# KiCad board procyon_57x80.kicad_pcb (continued)
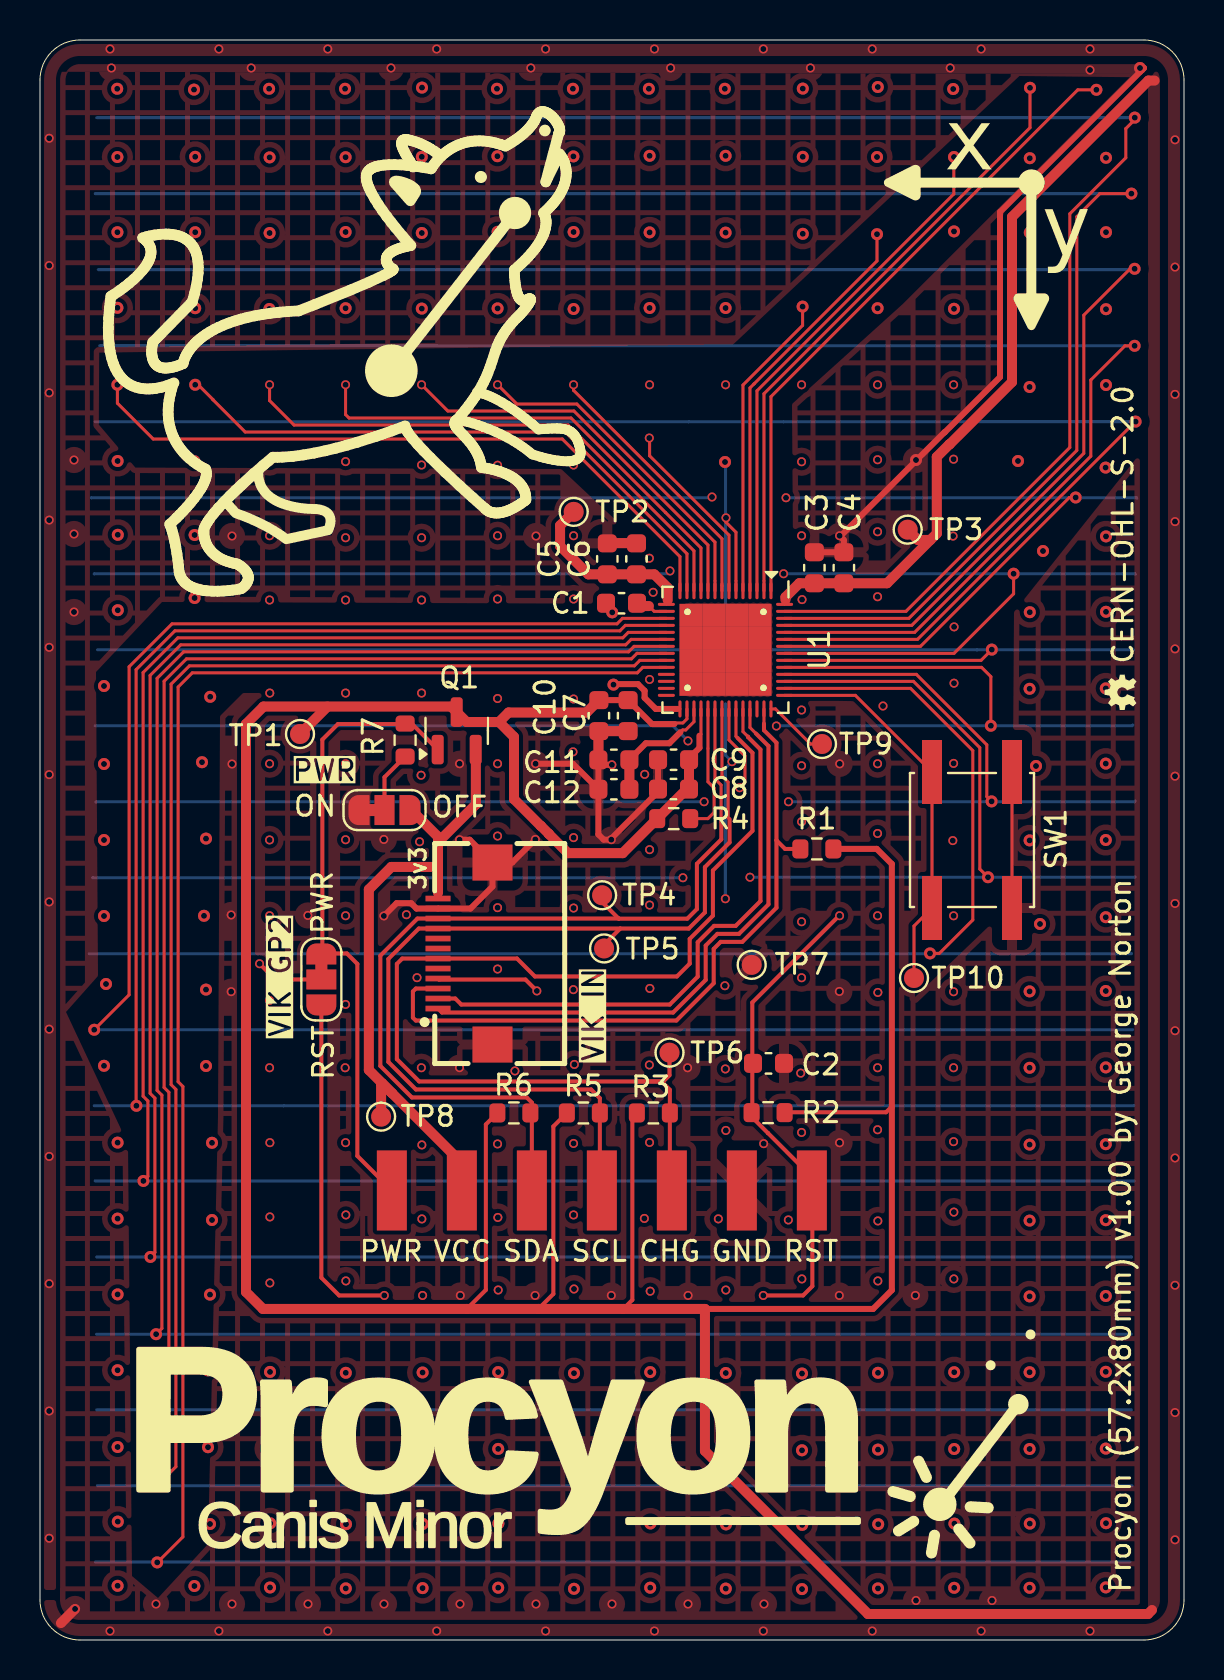
[diagram p0: board, top side]
## Copper pours and planes (outline as drawn; the poured copper is in the pictures) (continued)
/Y5 on Bottom: 18.89,57.1 17.2,55.41 15.51,57.1 17.2,58.79
/Y5 on Bottom: 55.2,55.41 53.51,57.1 55.2,58.79
/Y5 on Bottom: 11.29,57.1 9.6,55.41 7.91,57.1 9.6,58.79
/Y5 on Bottom: 3.69,57.1 2,55.41 2,58.79
/Y5 on Bottom: 53.09,57.1 51.4,55.41 49.71,57.1 51.4,58.79
/Y5 on Bottom: 41.69,57.1 40,55.41 38.31,57.1 40,58.79
/Y5 on Bottom: 45.49,57.1 43.8,55.41 42.11,57.1 43.8,58.79
/Y5 on Bottom: 34.09,57.1 32.4,55.41 30.71,57.1 32.4,58.79
/Y6 on Bottom: 30.29,53.3 28.6,51.61 26.91,53.3 28.6,54.99
/Y6 on Bottom: 3.69,53.3 2,51.61 2,54.99
/Y6 on Bottom: 41.69,53.3 40,51.61 38.31,53.3 40,54.99
/Y6 on Bottom: 15.09,53.3 13.4,51.61 11.71,53.3 13.4,54.99
/Y6 on Bottom: 11.29,53.3 9.6,51.61 7.91,53.3 9.6,54.99
/Y6 on Bottom: 22.69,53.3 21,51.61 19.31,53.3 21,54.99
/Y6 on Bottom: 49.29,53.3 47.6,51.61 45.91,53.3 47.6,54.99
/Y6 on Bottom: 26.49,53.3 24.8,51.61 23.11,53.3 24.8,54.99
/Y6 on Bottom: 7.49,53.3 5.8,51.61 4.11,53.3 5.8,54.99
/Y6 on Bottom: 45.49,53.3 43.8,51.61 42.11,53.3 43.8,54.99
/Y6 on Bottom: 55.2,51.61 53.51,53.3 55.2,54.99
/Y6 on Bottom: 37.89,53.3 36.2,51.61 34.51,53.3 36.2,54.99
/Y6 on Bottom: 53.09,53.3 51.4,51.61 49.71,53.3 51.4,54.99
/Y6 on Bottom: 18.89,53.3 17.2,51.61 15.51,53.3 17.2,54.99
/Y6 on Bottom: 34.09,53.3 32.4,51.61 30.71,53.3 32.4,54.99
/Y7 on Bottom: 45.49,49.5 43.8,47.81 42.11,49.5 43.8,51.19
/Y7 on Bottom: 3.69,49.5 2,47.81 2,51.19
/Y7 on Bottom: 7.49,49.5 5.8,47.81 4.11,49.5 5.8,51.19
/Y7 on Bottom: 11.29,49.5 9.6,47.81 7.91,49.5 9.6,51.19
/Y7 on Bottom: 30.29,49.5 28.6,47.81 26.91,49.5 28.6,51.19
/Y7 on Bottom: 55.2,47.81 53.51,49.5 55.2,51.19
/Y7 on Bottom: 18.89,49.5 17.2,47.81 15.51,49.5 17.2,51.19
/Y7 on Bottom: 22.69,49.5 21,47.81 19.31,49.5 21,51.19
/Y7 on Bottom: 26.49,49.5 24.8,47.81 23.11,49.5 24.8,51.19
/Y7 on Bottom: 53.09,49.5 51.4,47.81 49.71,49.5 51.4,51.19
/Y7 on Bottom: 41.69,49.5 40,47.81 38.31,49.5 40,51.19
/Y7 on Bottom: 34.09,49.5 32.4,47.81 30.71,49.5 32.4,51.19
/Y7 on Bottom: 15.09,49.5 13.4,47.81 11.71,49.5 13.4,51.19
/Y7 on Bottom: 37.89,49.5 36.2,47.81 34.51,49.5 36.2,51.19
/Y7 on Bottom: 49.29,49.5 47.6,47.81 45.91,49.5 47.6,51.19
/Y8 on Bottom: 26.49,45.7 24.8,44.01 23.11,45.7 24.8,47.39
/Y8 on Bottom: 55.2,44.01 53.51,45.7 55.2,47.39
/Y8 on Bottom: 18.89,45.7 17.2,44.01 15.51,45.7 17.2,47.39
/Y8 on Bottom: 22.69,45.7 21,44.01 19.31,45.7 21,47.39
/Y8 on Bottom: 15.09,45.7 13.4,44.01 11.71,45.7 13.4,47.39
/Y8 on Bottom: 3.69,45.7 2,44.01 2,47.39
/Y8 on Bottom: 45.49,45.7 43.8,44.01 42.11,45.7 43.8,47.39
/Y8 on Bottom: 53.09,45.7 51.4,44.01 49.71,45.7 51.4,47.39
/Y8 on Bottom: 30.29,45.7 28.6,44.01 26.91,45.7 28.6,47.39
/Y8 on Bottom: 7.49,45.7 5.8,44.01 4.11,45.7 5.8,47.39
/Y8 on Bottom: 11.29,45.7 9.6,44.01 7.91,45.7 9.6,47.39
/Y8 on Bottom: 37.89,45.7 36.2,44.01 34.51,45.7 36.2,47.39
/Y8 on Bottom: 49.29,45.7 47.6,44.01 45.91,45.7 47.6,47.39
/Y8 on Bottom: 41.69,45.7 40,44.01 38.31,45.7 40,47.39
/Y8 on Bottom: 34.09,45.7 32.4,44.01 30.71,45.7 32.4,47.39
/Y9 on Bottom: 22.69,41.9 21,40.21 19.31,41.9 21,43.59
/Y9 on Bottom: 41.69,41.9 40,40.21 38.31,41.9 40,43.59
/Y9 on Bottom: 49.29,41.9 47.6,40.21 45.91,41.9 47.6,43.59
/Y9 on Bottom: 34.09,41.9 32.4,40.21 30.71,41.9 32.4,43.59
/Y9 on Bottom: 30.29,41.9 28.6,40.21 26.91,41.9 28.6,43.59
/Y9 on Bottom: 18.89,41.9 17.2,40.21 15.51,41.9 17.2,43.59
/Y9 on Bottom: 37.89,41.9 36.2,40.21 34.51,41.9 36.2,43.59
/Y9 on Bottom: 53.09,41.9 51.4,40.21 49.71,41.9 51.4,43.59
/Y9 on Bottom: 26.49,41.9 24.8,40.21 23.11,41.9 24.8,43.59
/Y9 on Bottom: 11.29,41.9 9.6,40.21 7.91,41.9 9.6,43.59
/Y9 on Bottom: 55.2,40.21 53.51,41.9 55.2,43.59
/Y9 on Bottom: 15.09,41.9 13.4,40.21 11.71,41.9 13.4,43.59
/Y9 on Bottom: 3.69,41.9 2,40.21 2,43.59
/Y9 on Bottom: 7.49,41.9 5.8,40.21 4.11,41.9 5.8,43.59
/Y9 on Bottom: 45.49,41.9 43.8,40.21 42.11,41.9 43.8,43.59
/Y10 on Bottom: 30.29,38.1 28.6,36.41 26.91,38.1 28.6,39.79
/Y10 on Bottom: 22.69,38.1 21,36.41 19.31,38.1 21,39.79
/Y10 on Bottom: 11.29,38.1 9.6,36.41 7.91,38.1 9.6,39.79
/Y10 on Bottom: 37.89,38.1 36.2,36.41 34.51,38.1 36.2,39.79
/Y10 on Bottom: 26.49,38.1 24.8,36.41 23.11,38.1 24.8,39.79
/Y10 on Bottom: 55.2,36.41 53.51,38.1 55.2,39.79
/Y10 on Bottom: 15.09,38.1 13.4,36.41 11.71,38.1 13.4,39.79
/Y10 on Bottom: 53.09,38.1 51.4,36.41 49.71,38.1 51.4,39.79
/Y10 on Bottom: 41.69,38.1 40,36.41 38.31,38.1 40,39.79
/Y10 on Bottom: 18.89,38.1 17.2,36.41 15.51,38.1 17.2,39.79
/Y10 on Bottom: 49.29,38.1 47.6,36.41 45.91,38.1 47.6,39.79
/Y10 on Bottom: 45.49,38.1 43.8,36.41 42.11,38.1 43.8,39.79
/Y10 on Bottom: 34.09,38.1 32.4,36.41 30.71,38.1 32.4,39.79
/Y10 on Bottom: 7.49,38.1 5.8,36.41 4.11,38.1 5.8,39.79
/Y10 on Bottom: 3.69,38.1 2,36.41 2,39.79
/Y11 on Bottom: 18.89,34.3 17.2,32.61 15.51,34.3 17.2,35.99
/Y11 on Bottom: 11.29,34.3 9.6,32.61 7.91,34.3 9.6,35.99
/Y11 on Bottom: 3.69,34.3 2,32.61 2,35.99
/Y11 on Bottom: 7.49,34.3 5.8,32.61 4.11,34.3 5.8,35.99
/Y11 on Bottom: 49.29,34.3 47.6,32.61 45.91,34.3 47.6,35.99
/Y11 on Bottom: 22.69,34.3 21,32.61 19.31,34.3 21,35.99
/Y11 on Bottom: 34.09,34.3 32.4,32.61 30.71,34.3 32.4,35.99
/Y11 on Bottom: 15.09,34.3 13.4,32.61 11.71,34.3 13.4,35.99
/Y11 on Bottom: 41.69,34.3 40,32.61 38.31,34.3 40,35.99
/Y11 on Bottom: 30.29,34.3 28.6,32.61 26.91,34.3 28.6,35.99
/Y11 on Bottom: 55.2,32.61 53.51,34.3 55.2,35.99
/Y11 on Bottom: 53.09,34.3 51.4,32.61 49.71,34.3 51.4,35.99
/Y11 on Bottom: 45.49,34.3 43.8,32.61 42.11,34.3 43.8,35.99
/Y11 on Bottom: 26.49,34.3 24.8,32.61 23.11,34.3 24.8,35.99
/Y11 on Bottom: 37.89,34.3 36.2,32.61 34.51,34.3 36.2,35.99
/Y12 on Bottom: 53.09,30.5 51.4,28.81 49.71,30.5 51.4,32.19
/Y12 on Bottom: 22.69,30.5 21,28.81 19.31,30.5 21,32.19
/Y12 on Bottom: 45.49,30.5 43.8,28.81 42.11,30.5 43.8,32.19
/Y12 on Bottom: 37.89,30.5 36.2,28.81 34.51,30.5 36.2,32.19
/Y12 on Bottom: 18.89,30.5 17.2,28.81 15.51,30.5 17.2,32.19
/Y12 on Bottom: 15.09,30.5 13.4,28.81 11.71,30.5 13.4,32.19
/Y12 on Bottom: 3.69,30.5 2,28.81 2,32.19
/Y12 on Bottom: 55.2,28.81 53.51,30.5 55.2,32.19
/Y12 on Bottom: 26.49,30.5 24.8,28.81 23.11,30.5 24.8,32.19
/Y12 on Bottom: 49.29,30.5 47.6,28.81 45.91,30.5 47.6,32.19
/Y12 on Bottom: 7.49,30.5 5.8,28.81 4.11,30.5 5.8,32.19
/Y12 on Bottom: 41.69,30.5 40,28.81 38.31,30.5 40,32.19
/Y12 on Bottom: 30.29,30.5 28.6,28.81 26.91,30.5 28.6,32.19
/Y12 on Bottom: 34.09,30.5 32.4,28.81 30.71,30.5 32.4,32.19
/Y12 on Bottom: 11.29,30.5 9.6,28.81 7.91,30.5 9.6,32.19
/Y13 on Bottom: 41.69,26.7 40,25.01 38.31,26.7 40,28.39
/Y13 on Bottom: 37.89,26.7 36.2,25.01 34.51,26.7 36.2,28.39
/Y13 on Bottom: 22.69,26.7 21,25.01 19.31,26.7 21,28.39
/Y13 on Bottom: 7.49,26.7 5.8,25.01 4.11,26.7 5.8,28.39
/Y13 on Bottom: 11.29,26.7 9.6,25.01 7.91,26.7 9.6,28.39
/Y13 on Bottom: 3.69,26.7 2,25.01 2,28.39
/Y13 on Bottom: 49.29,26.7 47.6,25.01 45.91,26.7 47.6,28.39
/Y13 on Bottom: 15.09,26.7 13.4,25.01 11.71,26.7 13.4,28.39
/Y13 on Bottom: 53.09,26.7 51.4,25.01 49.71,26.7 51.4,28.39
/Y13 on Bottom: 34.09,26.7 32.4,25.01 30.71,26.7 32.4,28.39
/Y13 on Bottom: 30.29,26.7 28.6,25.01 26.91,26.7 28.6,28.39
/Y13 on Bottom: 18.89,26.7 17.2,25.01 15.51,26.7 17.2,28.39
/Y13 on Bottom: 45.49,26.7 43.8,25.01 42.11,26.7 43.8,28.39
/Y13 on Bottom: 55.2,25.01 53.51,26.7 55.2,28.39
/Y13 on Bottom: 26.49,26.7 24.8,25.01 23.11,26.7 24.8,28.39
/Y14 on Bottom: 11.29,22.9 9.6,21.21 7.91,22.9 9.6,24.59
/Y14 on Bottom: 37.89,22.9 36.2,21.21 34.51,22.9 36.2,24.59
/Y14 on Bottom: 7.49,22.9 5.8,21.21 4.11,22.9 5.8,24.59
/Y14 on Bottom: 15.09,22.9 13.4,21.21 11.71,22.9 13.4,24.59
/Y14 on Bottom: 49.29,22.9 47.6,21.21 45.91,22.9 47.6,24.59
/Y14 on Bottom: 18.89,22.9 17.2,21.21 15.51,22.9 17.2,24.59
/Y14 on Bottom: 3.69,22.9 2,21.21 2,24.59
/Y14 on Bottom: 22.69,22.9 21,21.21 19.31,22.9 21,24.59
/Y14 on Bottom: 30.29,22.9 28.6,21.21 26.91,22.9 28.6,24.59
/Y14 on Bottom: 26.49,22.9 24.8,21.21 23.11,22.9 24.8,24.59
/Y14 on Bottom: 55.2,21.21 53.51,22.9 55.2,24.59
/Y14 on Bottom: 34.09,22.9 32.4,21.21 30.71,22.9 32.4,24.59
/Y14 on Bottom: 45.49,22.9 43.8,21.21 42.11,22.9 43.8,24.59
/Y14 on Bottom: 41.69,22.9 40,21.21 38.31,22.9 40,24.59
/Y14 on Bottom: 53.09,22.9 51.4,21.21 49.71,22.9 51.4,24.59
/Y15 on Bottom: 26.49,19.1 24.8,17.41 23.11,19.1 24.8,20.79
/Y15 on Bottom: 34.09,19.1 32.4,17.41 30.71,19.1 32.4,20.79
/Y15 on Bottom: 3.69,19.1 2,17.41 2,20.79
/Y15 on Bottom: 7.49,19.1 5.8,17.41 4.11,19.1 5.8,20.79
/Y15 on Bottom: 41.69,19.1 40,17.41 38.31,19.1 40,20.79
/Y15 on Bottom: 53.09,19.1 51.4,17.41 49.71,19.1 51.4,20.79
/Y15 on Bottom: 11.29,19.1 9.6,17.41 7.91,19.1 9.6,20.79
/Y15 on Bottom: 18.89,19.1 17.2,17.41 15.51,19.1 17.2,20.79
/Y15 on Bottom: 45.49,19.1 43.8,17.41 42.11,19.1 43.8,20.79
/Y15 on Bottom: 49.29,19.1 47.6,17.41 45.91,19.1 47.6,20.79
/Y15 on Bottom: 37.89,19.1 36.2,17.41 34.51,19.1 36.2,20.79
/Y15 on Bottom: 55.2,17.41 53.51,19.1 55.2,20.79
/Y15 on Bottom: 15.09,19.1 13.4,17.41 11.71,19.1 13.4,20.79
/Y15 on Bottom: 30.29,19.1 28.6,17.41 26.91,19.1 28.6,20.79
/Y15 on Bottom: 22.69,19.1 21,17.41 19.31,19.1 21,20.79
/Y16 on Bottom: 37.89,15.3 36.2,13.61 34.51,15.3 36.2,16.99
/Y16 on Bottom: 49.29,15.3 47.6,13.61 45.91,15.3 47.6,16.99
/Y16 on Bottom: 30.29,15.3 28.6,13.61 26.91,15.3 28.6,16.99
/Y16 on Bottom: 7.49,15.3 5.8,13.61 4.11,15.3 5.8,16.99
/Y16 on Bottom: 3.69,15.3 2,13.61 2,16.99
/Y16 on Bottom: 15.09,15.3 13.4,13.61 11.71,15.3 13.4,16.99
/Y16 on Bottom: 55.2,13.61 53.51,15.3 55.2,16.99
/Y16 on Bottom: 34.09,15.3 32.4,13.61 30.71,15.3 32.4,16.99
/Y16 on Bottom: 18.89,15.3 17.2,13.61 15.51,15.3 17.2,16.99
/Y16 on Bottom: 41.69,15.3 40,13.61 38.31,15.3 40,16.99
/Y16 on Bottom: 11.29,15.3 9.6,13.61 7.91,15.3 9.6,16.99
/Y16 on Bottom: 22.69,15.3 21,13.61 19.31,15.3 21,16.99
/Y16 on Bottom: 26.49,15.3 24.8,13.61 23.11,15.3 24.8,16.99
/Y16 on Bottom: 53.09,15.3 51.4,13.61 49.71,15.3 51.4,16.99
/Y16 on Bottom: 45.49,15.3 43.8,13.61 42.11,15.3 43.8,16.99
/Y17 on Bottom: 45.49,11.5 43.8,9.81 42.11,11.5 43.8,13.19
/Y17 on Bottom: 11.29,11.5 9.6,9.81 7.91,11.5 9.6,13.19
/Y17 on Bottom: 34.09,11.5 32.4,9.81 30.71,11.5 32.4,13.19
/Y17 on Bottom: 15.09,11.5 13.4,9.81 11.71,11.5 13.4,13.19
/Y17 on Bottom: 37.89,11.5 36.2,9.81 34.51,11.5 36.2,13.19
/Y17 on Bottom: 41.69,11.5 40,9.81 38.31,11.5 40,13.19
/Y17 on Bottom: 53.09,11.5 51.4,9.81 49.71,11.5 51.4,13.19
/Y17 on Bottom: 55.2,9.81 53.51,11.5 55.2,13.19
/Y17 on Bottom: 7.49,11.5 5.8,9.81 4.11,11.5 5.8,13.19
/Y17 on Bottom: 18.89,11.5 17.2,9.81 15.51,11.5 17.2,13.19
/Y17 on Bottom: 30.29,11.5 28.6,9.81 26.91,11.5 28.6,13.19
/Y17 on Bottom: 26.49,11.5 24.8,9.81 23.11,11.5 24.8,13.19
/Y17 on Bottom: 49.29,11.5 47.6,9.81 45.91,11.5 47.6,13.19
/Y17 on Bottom: 22.69,11.5 21,9.81 19.31,11.5 21,13.19
/Y17 on Bottom: 3.69,11.5 2,9.81 2,13.19
/Y18 on Bottom: 53.09,7.7 51.4,6.01 49.71,7.7 51.4,9.39
/Y18 on Bottom: 45.49,7.7 43.8,6.01 42.11,7.7 43.8,9.39
/Y18 on Bottom: 22.69,7.7 21,6.01 19.31,7.7 21,9.39
/Y18 on Bottom: 11.29,7.7 9.6,6.01 7.91,7.7 9.6,9.39
/Y18 on Bottom: 41.69,7.7 40,6.01 38.31,7.7 40,9.39
/Y18 on Bottom: 26.49,7.7 24.8,6.01 23.11,7.7 24.8,9.39
/Y18 on Bottom: 7.49,7.7 5.8,6.01 4.11,7.7 5.8,9.39
/Y18 on Bottom: 37.89,7.7 36.2,6.01 34.51,7.7 36.2,9.39
/Y18 on Bottom: 49.29,7.7 47.6,6.01 45.91,7.7 47.6,9.39
/Y18 on Bottom: 15.09,7.7 13.4,6.01 11.71,7.7 13.4,9.39
/Y18 on Bottom: 3.69,7.7 2,6.01 2,9.39
/Y18 on Bottom: 30.29,7.7 28.6,6.01 26.91,7.7 28.6,9.39
/Y18 on Bottom: 55.2,6.01 53.51,7.7 55.2,9.39
/Y18 on Bottom: 34.09,7.7 32.4,6.01 30.71,7.7 32.4,9.39
/Y18 on Bottom: 18.89,7.7 17.2,6.01 15.51,7.7 17.2,9.39
/Y19 on Bottom: 41.69,3.9 40,2.21 38.31,3.9 40,5.59
/Y19 on Bottom: 15.09,3.9 13.4,2.21 11.71,3.9 13.4,5.59
/Y19 on Bottom: 49.29,3.9 47.6,2.21 45.91,3.9 47.6,5.59
/Y19 on Bottom: 45.49,3.9 43.8,2.21 42.11,3.9 43.8,5.59
/Y19 on Bottom: 7.49,3.9 5.8,2.21 4.11,3.9 5.8,5.59
/Y19 on Bottom: 18.89,3.9 17.2,2.21 15.51,3.9 17.2,5.59
/Y19 on Bottom: 11.29,3.9 9.6,2.21 7.91,3.9 9.6,5.59
/Y19 on Bottom: 34.09,3.9 32.4,2.21 30.71,3.9 32.4,5.59
/Y19 on Bottom: 30.29,3.9 28.6,2.21 26.91,3.9 28.6,5.59
/Y19 on Bottom: 22.69,3.9 21,2.21 19.31,3.9 21,5.59
/Y19 on Bottom: 55.2,3 55.01,2.41 53.51,3.9 55.2,5.59
/Y19 on Bottom: 53.09,3.9 51.4,2.21 49.71,3.9 51.4,5.59
/Y19 on Bottom: 3.69,3.9 2.19,2.41 2,3 2,5.59
/Y19 on Bottom: 37.89,3.9 36.2,2.21 34.51,3.9 36.2,5.59
/Y19 on Bottom: 26.49,3.9 24.8,2.21 23.11,3.9 24.8,5.59

## Text on the board
F.Silkscreen: PWR | VCC | SDA | SCL | CHG | GND | RST | VIK GP2 | Procyon (57.2x80mm) v1.00 by George Norton | CERN-OHL-S-2.0
User.1: I am not an EE, but I have read some application notes. / I have done some things with the routing which make sense / to me, if you change the routing bare in mind: / - Running sensor lines close to ground will generate some paracitic / capacitance and reduce the sensitivity of those lines. / - Running TX lines close to RX lines will also generate paracitic / capacitance, but it will be detected by the receive lines - this is / worse. / - To minimuse the sensitivity loss, all fills under the surface are hatched. / - Assuming a 1.6mm 4 layer board, there is 0.4mm from the top layer / traces to the hatched ground below - so try to keep ground at least / 0.4mm from the sensor lines elsewhere too. / - On the bottom two layers, run sense traces in the gaps betwen the / corner points - dont run TX lines over the top of RX electrodes. Take / the long route around over the neighbouring TX electrode (and vice versa). / - Dont drop vias in the middle of an electode - we lose too much material. / Find a space in between nodes. / - The sensor pitch is 3.8mm - this is becuase the vias in the MaxTouch IC / fit nicely in the gaps between the electrodes. / - I have tried to keep the SMT components close to the center of the board / so there is a border for mounting. Currently C4 is closest to the edge / and there should be a 9mm area all around the board which can be used for / mounting. / - Where I can, I have attempted to cross sense traces at right angles to / as I understand this reduces paracitic capacitance. However, the fill on / In1.Cu ought to provide some shielding. / - I have left clearance for most of the unused Y lines so I can use the same / stencil for larger trackpads. On these designs the EXCAP trace will need / shifting to In1.Cu. Y22 and Y23 will not be usable.
